# Altium PCB BTF16.PcbDoc (part 2 of 4)
Units mm, origin at the board's own origin, x right, y up, seen from the top; angles counter-clockwise.
Board outline 119.35 x 91 mm, 2 copper layers (Top Layer, Bottom Layer); 485 components, 133 nets, 1702 pads, 1556 vias.
Unrouted connection lines stored in the file: 2.
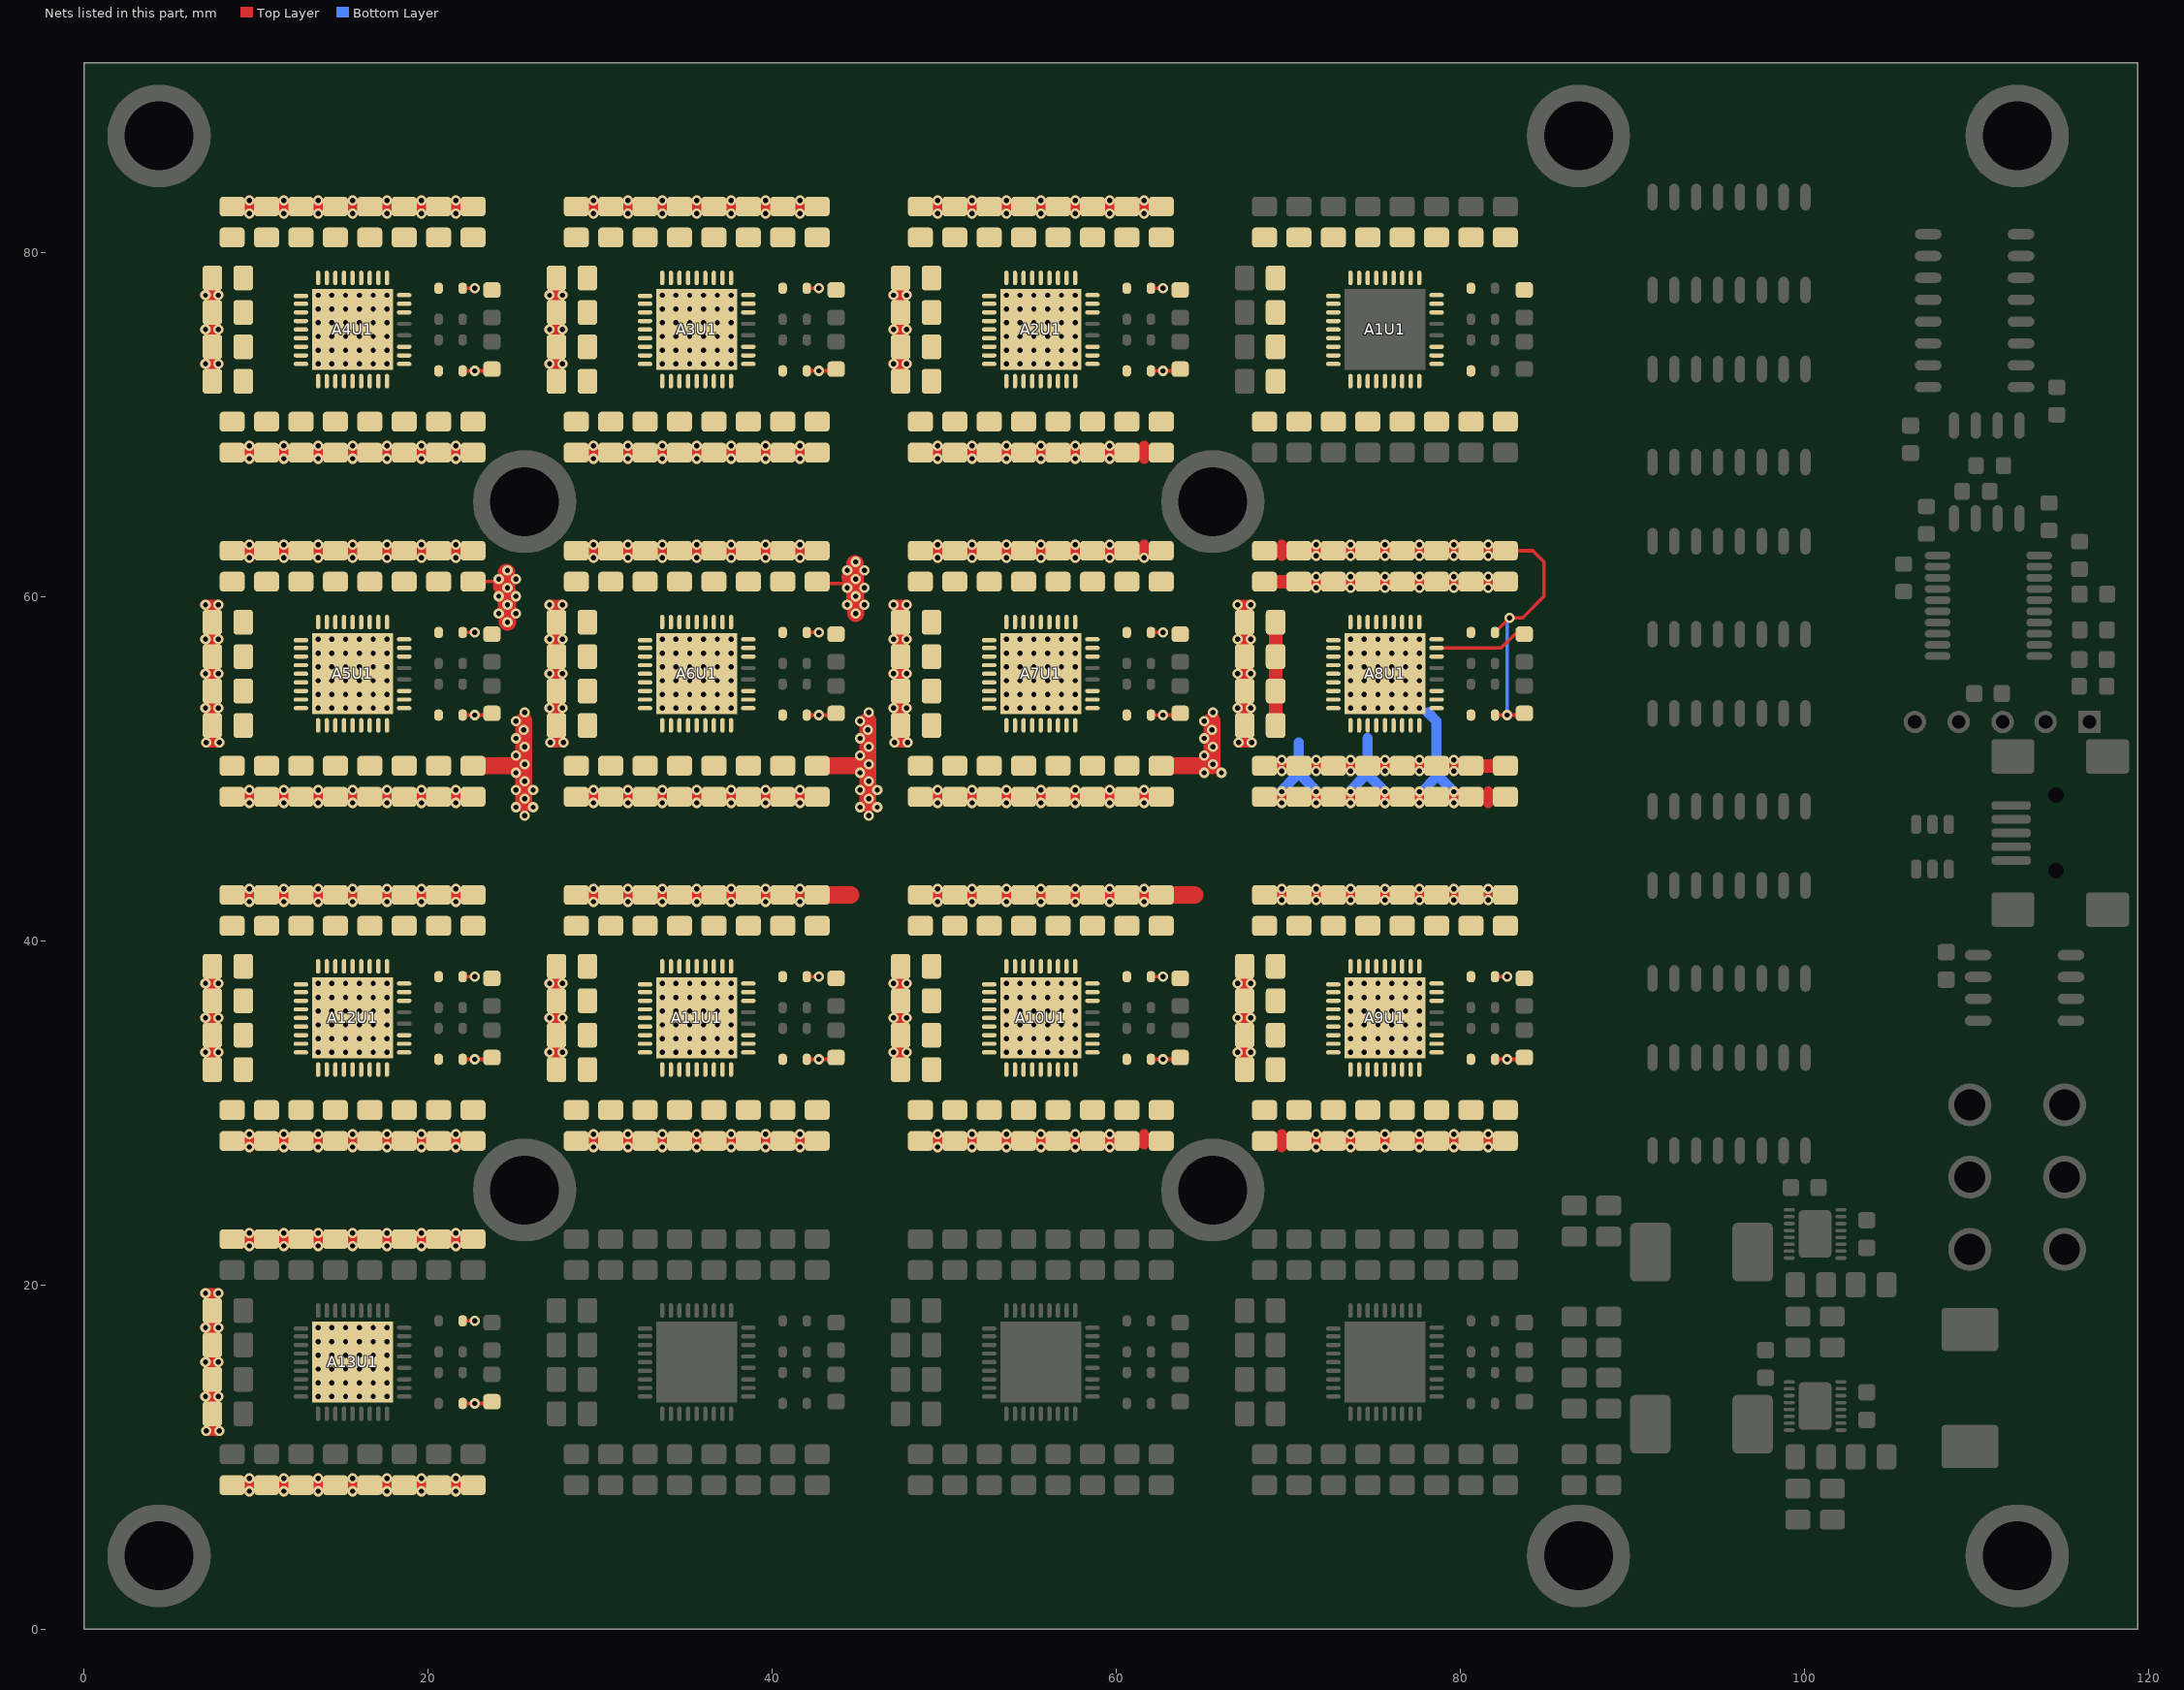
[diagram p2: the nets of this part, all layers, seen from the top]

## Footprints (in the part's own frame and the unit in brackets; to place one, negate y for a bottom-side part, rotate by r counter-clockwise, add the part's x,y. Pads: shape width x height; smd on the part's side, far side on the other; paste and mask are expansions set on the pad) (continued)
"SMD_SON50P340X340X80-21N - VSON10" [mm]
  oval 0.65x0.2 smd mask+0.05: 1(-1.5,1.4) 2(-1.5,1) 3(-1.5,0.6) 4(-1.5,0.2) 5(-1.5,-0.2) 6(-1.5,-0.6) 7(-1.5,-1) 8(-1.5,-1.4) 9(1.5,-1.4) 10(1.5,-1) 11(1.5,-0.6) 12(1.5,-0.2) 13(1.5,0.2) 14(1.5,0.6) 15(1.5,1) 16(1.5,1.4)
  rrect24% 1.9x2.75 smd paste-0.35 mask+0.05: 17(0,0)
  Top Layer region: -1.175,-0.1 -1.625,-0.1 -1.625,-1.5 -1.175,-1.5
  Top Layer region: 1.175,-1.5 1.625,-1.5 1.625,-0.1 1.175,-0.1
  silkscreen extent -2.1,-1.7 1.7,2.4, body extent -1.5,-1.5 1.5,1.5, height 0.95
SMD_SOP65P640X110-20N [mm]
  oval 1.5x0.45 smd mask+0.05: 1(-2.95,2.925) 2(-2.95,2.275) 3(-2.95,1.625) 4(-2.95,0.975) 5(-2.95,0.325) 6(-2.95,-0.325) 7(-2.95,-0.975) 8(-2.95,-1.625) 9(-2.95,-2.275) 10(-2.95,-2.925) 11(2.95,-2.925) 12(2.95,-2.275) 13(2.95,-1.625) 14(2.95,-0.975) 15(2.95,-0.325) 16(2.95,0.325) 17(2.95,0.975) 18(2.95,1.625) 19(2.95,2.275) 20(2.95,2.925)
  silkscreen extent -3.9,-3.25 1.88,3.5, body extent -3.2,-3.25 3.2,3.25, height 1.2
SMD_SOT95P280X145-6N [mm]
  rrect67% 1.1x0.6 smd mask+0.075: 1(-1.3,0.95) 2(-1.3,0) 3(-1.3,-0.95) 4(1.3,-0.95) 5(1.3,0) 6(1.3,0.95)
  silkscreen extent -2.05,-1.45 0.43,1.75, body extent -1.4,-1.45 1.4,1.45, height 1.45

## Part data
A1C1 A1C2 A1C3 A1C4 A1C5 A1C6 A1C7 A1C8 A1C9 A1C10 A1C11 A1C12 A1C13 A1C14 A1C15 A1C16 A1C17 A1C18 A1C19 A1C20 A2C1 A2C2 A2C3 A2C4 A2C5 A2C6 A2C7 A2C8 A2C9 A2C10 A2C11 A2C12 A2C13 A2C14 A2C15 A2C16 A2C17 A2C18 A2C19 A2C20 A3C1 A3C2 A3C3 A3C4 A3C5 A3C6 A3C7 A3C8 A3C9 A3C10 A3C11 A3C12 A3C13 A3C14 A3C15 A3C16 A3C17 A3C18 A3C19 A3C20 A4C1 A4C2 A4C3 A4C4 A4C5 A4C6 A4C7 A4C8 A4C9 A4C10 A4C11 A4C12 A4C13 A4C14 A4C15 A4C16 A4C17 A4C18 A4C19 A4C20 A5C1 A5C2 A5C3 A5C4 A5C5 A5C6 A5C7 A5C8 A5C9 A5C10 A5C11 A5C12 A5C13 A5C14 A5C15 A5C16 A5C17 A5C18 A5C19 A5C20 A6C1 A6C2 A6C3 A6C4 A6C5 A6C6 A6C7 A6C8 A6C9 A6C10 A6C11 A6C12 A6C13 A6C14 A6C15 A6C16 A6C17 A6C18 A6C19 A6C20 A7C1 A7C2 A7C3 A7C4 A7C5 A7C6 A7C7 A7C8 A7C9 A7C10 A7C11 A7C12 A7C13 A7C14 A7C15 A7C16 A7C17 A7C18 A7C19 A7C20 A8C1 A8C2 A8C3 A8C4 A8C5 A8C6 A8C7 A8C8 A8C9 A8C10 A8C11 A8C12 A8C13 A8C14 A8C15 A8C16 A8C17 A8C18 A8C19 A8C20 A9C1 A9C2 A9C3 A9C4 A9C5 A9C6 A9C7 A9C8 A9C9 A9C10 A9C11 A9C12 A9C13 A9C14 A9C15 A9C16 A9C17 A9C18 A9C19 A9C20 A10C1 A10C2 A10C3 A10C4 A10C5 A10C6 A10C7 A10C8 A10C9 A10C10 A10C11 A10C12 A10C13 A10C14 A10C15 A10C16 A10C17 A10C18 A10C19 A10C20 A11C1 A11C2 A11C3 A11C4 A11C5 A11C6 A11C7 A11C8 A11C9 A11C10 A11C11 A11C12 A11C13 A11C14 A11C15 A11C16 A11C17 A11C18 A11C19 A11C20 A12C1 A12C2 A12C3 A12C4 A12C5 A12C6 A12C7 A12C8 A12C9 A12C10 A12C11 A12C12 A12C13 A12C14 A12C15 A12C16 A12C17 A12C18 A12C19 A12C20 A13C1 A13C2 A13C3 A13C4 A13C5 A13C6 A13C7 A13C8 A13C9 A13C10 A13C11 A13C12 A13C13 A13C14 A13C15 A13C16 A13C17 A13C18 A13C19 A13C20 A14C1 A14C2 A14C3 A14C4 A14C5 A14C6 A14C7 A14C8 A14C9 A14C10 A14C11 A14C12 A14C13 A14C14 A14C15 A14C16 A14C17 A14C18 A14C19 A14C20 A15C1 A15C2 A15C3 A15C4 A15C5 A15C6 A15C7 A15C8 A15C9 A15C10 A15C11 A15C12 A15C13 A15C14 A15C15 A15C16 A15C17 A15C18 A15C19 A15C20 A16C1 A16C2 A16C3 A16C4 A16C5 A16C6 A16C7 A16C8 A16C9 A16C10 A16C11 A16C12 A16C13 A16C14 A16C15 A16C16 A16C17 A16C18 A16C19 A16C20 C1 C2 C3 C4 C5 P1C1 P1C2 P1C3 P1C4 P1C5 P1C6 P1C7 P1C8 P1C9 P1C10 P2C1 P2C2 P2C3 P2C4 P2C5 P2C6 P2C7 P2C8 P2C9 P2C10: library part C
A1R1 A1R2 A2R1 A2R2 A3R1 A3R2 A4R1 A4R2 A5R1 A5R2 A6R1 A6R2 A7R1 A7R2 A8R1 A8R2 A9R1 A9R2 A10R1 A10R2 A11R1 A11R2 A12R1 A12R2 A13R1 A13R2 A14R1 A14R2 A15R1 A15R2 A16R1 A16R2 R1 R2 R3 R4 R5 R6 R7 R8 R9: library part R
A1U1 A2U1 A3U1 A4U1 A5U1 A6U1 A7U1 A8U1 A9U1 A10U1 A11U1 A12U1 A13U1 A14U1 A15U1 A16U1: "BitFury 2016 16 nm"
D5: library part D
D6: library part D_TVS_QUAD_C1AA2AA5C3C4C6, "4 IO lines TVS"
J2: library part CON_USB_MINI
J4: library part CON_6PINS
P1L1 P2L1: library part L
P1U1 P2U1: library part IC_CSD95379Q3M, "Texas Instrumendts Buck Boost DC-DC"
U1: library part IC_PIC16F1459
U2: library part IC_74HC4053, "Triple 2-channel analog multiplexer/demultiplexer"
U3 U4 U5 U6 U7 U8: library part IC_74HC4051, "8-channel analog multiplexer/demultiplexer"
U10: library part IC_LM311, "Comparator"

## Free pads (board coordinates)
  round 6 / inner round 4.5 / far side round 6 hole 4: 0(4.35,4.25) 0(4.35,86.75) 0(25.6,25.5) 0(25.6,65.5) 0(65.6,25.5) 0(65.6,65.5) 0(86.85,4.25) 0(86.85,86.75) 0(112.35,4.25) 0(112.35,86.75)

## Via types
v1: diameter 0.6, hole 0.3, Top Layer to Bottom Layer, tented both sides, 1556 vias

## Nets (pads, with @x,y where several pads share a name; then routed paths per layer and width w, separated by ;. In a path a pad name is that pad's centre, name@x,y a point inside that pad or via, vN(x,y) a via of type N, cw(c..) or ccw(c..) an arc to the next point about the centre after c; other vN are vias at no path point)
0.4V: A1C1.1 A1C2.1 A1C3.1 A1C4.1 A1C5.1 A1C6.1 A1C7.1 A1C8.1 A1C9.1 A1C10.1 A1C11.1 A1C12.1 A1C13.1 A1C14.1 A1C15.1 A1C16.1 A1C17.1 A1C18.1 A1C19.1 A1C20.1 A1D1.1 A1D3.1 A1R1.1 A1U1.1 A1U1.2 A1U1.3 A1U1.4 A1U1.5 A1U1.6 A1U1.7 A1U1.8 A1U1.9 A1U1.10 A1U1.11 A1U1.12 A1U1.13 A1U1.14 A1U1.15 A1U1.16 A1U1.17 A1U1.18 A1U1.19 A1U1.20 A1U1.21 A1U1.24 A1U1.25 A1U1.26 A1U1.27 A1U1.28 A1U1.29 A1U1.30 A1U1.31 A1U1.32 A1U1.33 A1U1.34 A1U1.35 A2C1.2 A2C2.2 A2C3.2 A2C4.2 A2C5.2 A2C6.2 A2C7.2 A2C8.2 A2C9.2 A2C10.2 A2C11.2 A2C12.2 A2C13.2 A2C14.2 A2C15.2 A2C16.2 A2C17.2 A2C18.2 A2C19.2 A2C20.2 A2D2.2 A2D4.2 A2R2.2 A2U1.36 | length 32.2
  Top Layer w0.2: A2D4.2@62,73.1 v1(62.7,73.1) 63.6,73.1 A2R2.2@63.7,73.2 ; A2D2.2@62,77.9 v1(62.7,77.9)
  Top Layer w0.6: v1(47.05,73.5) 47.45,73.5 ; v1(47.05,75.5) 47.45,75.5 ; v1(47.05,77.5) 47.45,77.5 ; A2C20.2@47.45,72.5 47.45,73.5 ; A2C19.2@47.45,74.5 47.45,75.5 ; A2C17.2@47.45,76.5 47.45,77.5 ; v1(47.8,73.5) 47.45,73.5 ; v1(47.8,75.5) 47.45,75.5 ; v1(47.8,77.5) 47.45,77.5 ; A2C9.2@48.6,68.35 49.6,68.35 ; v1(49.6,68) 49.6,68.35 ; v1(49.6,68.75) 49.6,68.35 ; v1(49.6,82.25) 49.6,82.65 ; v1(49.6,83) 49.6,82.65 ; A2C10.2@50.6,68.35 51.6,68.35 ; A2C7.2@50.6,82.65 49.6,82.65 ; v1(51.6,68) 51.6,68.35 ; v1(51.6,68.75) 51.6,68.35 ; v1(51.6,82.25) 51.6,82.65 ; v1(51.6,83) 51.6,82.65 ; A2C11.2@52.6,68.35 53.6,68.35 ; A2C6.2@52.6,82.65 51.6,82.65 ; v1(53.6,68) 53.6,68.35 ; v1(53.6,68.75) 53.6,68.35 ; v1(53.6,82.25) 53.6,82.65 ; v1(53.6,83) 53.6,82.65 ; A2C12.2@54.6,68.35 55.6,68.35 ; A2C5.2@54.6,82.65 53.6,82.65 ; v1(55.6,68) 55.6,68.35 ; v1(55.6,68.75) 55.6,68.35 ; v1(55.6,82.25) 55.6,82.65 ; v1(55.6,83) 55.6,82.65 ; A2C13.2@56.6,68.35 57.6,68.35 ; A2C4.2@56.6,82.65 55.6,82.65 ; v1(57.6,68) 57.6,68.35 ; v1(57.6,68.75) 57.6,68.35 ; v1(57.6,82.25) 57.6,82.65 ; v1(57.6,83) 57.6,82.65 ; A2C14.2@58.6,68.35 59.6,68.35 ; A2C3.2@58.6,82.65 57.6,82.65 ; v1(59.6,68) 59.6,68.35 ; v1(59.6,68.75) 59.6,68.35 ; v1(59.6,82.25) 59.6,82.65 ; v1(59.6,83) 59.6,82.65 ; A2C15.2@60.6,68.35 61.6,68.35 ; A2C2.2@60.6,82.65 59.6,82.65 ; 61.6,68 61.6,68.35 ; 61.6,68.75 61.6,68.35 ; v1(61.6,82.25) 61.6,82.65 ; v1(61.6,83) 61.6,82.65 ; A2C1.2@62.6,82.65 61.6,82.65
  other v1: 53.6,73.5 54.4,73.5 55.2,73.5 56,73.5 56.8,73.5 57.6,73.5 53.6,74.3 54.4,74.3 55.2,74.3 56,74.3 56.8,74.3 57.6,74.3 53.6,75.1 54.4,75.1 55.2,75.1 56,75.1 56.8,75.1 57.6,75.1 53.6,75.9 54.4,75.9 55.2,75.9 56,75.9 56.8,75.9 57.6,75.9 53.6,76.7 54.4,76.7 55.2,76.7 56,76.7 56.8,76.7 57.6,76.7 53.6,77.5 54.4,77.5 55.2,77.5 56,77.5 56.8,77.5 57.6,77.5
0.8V: A2C1.1 A2C2.1 A2C3.1 A2C4.1 A2C5.1 A2C6.1 A2C7.1 A2C8.1 A2C9.1 A2C10.1 A2C11.1 A2C12.1 A2C13.1 A2C14.1 A2C15.1 A2C16.1 A2C17.1 A2C18.1 A2C19.1 A2C20.1 A2D1.1 A2D3.1 A2R1.1 A2U1.1 A2U1.2 A2U1.3 A2U1.4 A2U1.5 A2U1.6 A2U1.7 A2U1.8 A2U1.9 A2U1.10 A2U1.11 A2U1.12 A2U1.13 A2U1.14 A2U1.15 A2U1.16 A2U1.17 A2U1.18 A2U1.19 A2U1.20 A2U1.21 A2U1.24 A2U1.25 A2U1.26 A2U1.27 A2U1.28 A2U1.29 A2U1.30 A2U1.31 A2U1.32 A2U1.33 A2U1.34 A2U1.35 A3C1.2 A3C2.2 A3C3.2 A3C4.2 A3C5.2 A3C6.2 A3C7.2 A3C8.2 A3C9.2 A3C10.2 A3C11.2 A3C12.2 A3C13.2 A3C14.2 A3C15.2 A3C16.2 A3C17.2 A3C18.2 A3C19.2 A3C20.2 A3D2.2 A3D4.2 A3R2.2 A3U1.36 | length 32.2
  Top Layer w0.2: A3D4.2@42,73.1 v1(42.7,73.1) 43.6,73.1 A3R2.2@43.7,73.2 ; A3D2.2@42,77.9 v1(42.7,77.9)
  Top Layer w0.6: v1(27.05,73.5) 27.45,73.5 ; v1(27.05,75.5) 27.45,75.5 ; v1(27.05,77.5) 27.45,77.5 ; A3C20.2@27.45,72.5 27.45,73.5 ; A3C19.2@27.45,74.5 27.45,75.5 ; A3C17.2@27.45,76.5 27.45,77.5 ; v1(27.8,73.5) 27.45,73.5 ; v1(27.8,75.5) 27.45,75.5 ; v1(27.8,77.5) 27.45,77.5 ; A3C9.2@28.6,68.35 29.6,68.35 ; v1(29.6,68) 29.6,68.35 ; v1(29.6,68.75) 29.6,68.35 ; v1(29.6,82.25) 29.6,82.65 ; v1(29.6,83) 29.6,82.65 ; A3C10.2@30.6,68.35 31.6,68.35 ; A3C7.2@30.6,82.65 29.6,82.65 ; v1(31.6,68) 31.6,68.35 ; v1(31.6,68.75) 31.6,68.35 ; v1(31.6,82.25) 31.6,82.65 ; v1(31.6,83) 31.6,82.65 ; A3C11.2@32.6,68.35 33.6,68.35 ; A3C6.2@32.6,82.65 31.6,82.65 ; v1(33.6,68) 33.6,68.35 ; v1(33.6,68.75) 33.6,68.35 ; v1(33.6,82.25) 33.6,82.65 ; v1(33.6,83) 33.6,82.65 ; A3C12.2@34.6,68.35 35.6,68.35 ; A3C5.2@34.6,82.65 33.6,82.65 ; v1(35.6,68) 35.6,68.35 ; v1(35.6,68.75) 35.6,68.35 ; v1(35.6,82.25) 35.6,82.65 ; v1(35.6,83) 35.6,82.65 ; A3C13.2@36.6,68.35 37.6,68.35 ; A3C4.2@36.6,82.65 35.6,82.65 ; v1(37.6,68) 37.6,68.35 ; v1(37.6,68.75) 37.6,68.35 ; v1(37.6,82.25) 37.6,82.65 ; v1(37.6,83) 37.6,82.65 ; A3C14.2@38.6,68.35 39.6,68.35 ; A3C3.2@38.6,82.65 37.6,82.65 ; v1(39.6,68) 39.6,68.35 ; v1(39.6,68.75) 39.6,68.35 ; v1(39.6,82.25) 39.6,82.65 ; v1(39.6,83) 39.6,82.65 ; A3C15.2@40.6,68.35 41.6,68.35 ; A3C2.2@40.6,82.65 39.6,82.65 ; v1(41.6,68) 41.6,68.35 ; v1(41.6,68.75) 41.6,68.35 ; v1(41.6,82.25) 41.6,82.65 ; v1(41.6,83) 41.6,82.65 ; A3C1.2@42.6,82.65 41.6,82.65
  other v1: 33.6,73.5 34.4,73.5 35.2,73.5 36,73.5 36.8,73.5 37.6,73.5 33.6,74.3 34.4,74.3 35.2,74.3 36,74.3 36.8,74.3 37.6,74.3 33.6,75.1 34.4,75.1 35.2,75.1 36,75.1 36.8,75.1 37.6,75.1 33.6,75.9 34.4,75.9 35.2,75.9 36,75.9 36.8,75.9 37.6,75.9 33.6,76.7 34.4,76.7 35.2,76.7 36,76.7 36.8,76.7 37.6,76.7 33.6,77.5 34.4,77.5 35.2,77.5 36,77.5 36.8,77.5 37.6,77.5
1.2V: A3C1.1 A3C2.1 A3C3.1 A3C4.1 A3C5.1 A3C6.1 A3C7.1 A3C8.1 A3C9.1 A3C10.1 A3C11.1 A3C12.1 A3C13.1 A3C14.1 A3C15.1 A3C16.1 A3C17.1 A3C18.1 A3C19.1 A3C20.1 A3D1.1 A3D3.1 A3R1.1 A3U1.1 A3U1.2 A3U1.3 A3U1.4 A3U1.5 A3U1.6 A3U1.7 A3U1.8 A3U1.9 A3U1.10 A3U1.11 A3U1.12 A3U1.13 A3U1.14 A3U1.15 A3U1.16 A3U1.17 A3U1.18 A3U1.19 A3U1.20 A3U1.21 A3U1.24 A3U1.25 A3U1.26 A3U1.27 A3U1.28 A3U1.29 A3U1.30 A3U1.31 A3U1.32 A3U1.33 A3U1.34 A3U1.35 A4C1.2 A4C2.2 A4C3.2 A4C4.2 A4C5.2 A4C6.2 A4C7.2 A4C8.2 A4C9.2 A4C10.2 A4C11.2 A4C12.2 A4C13.2 A4C14.2 A4C15.2 A4C16.2 A4C17.2 A4C18.2 A4C19.2 A4C20.2 A4D2.2 A4D4.2 A4R2.2 A4U1.36 | length 32.2
  Top Layer w0.2: A4D4.2@22,73.1 v1(22.7,73.1) 23.6,73.1 A4R2.2@23.7,73.2 ; A4D2.2@22,77.9 v1(22.7,77.9)
  Top Layer w0.6: v1(7.05,73.5) 7.45,73.5 ; v1(7.05,75.5) 7.45,75.5 ; v1(7.05,77.5) 7.45,77.5 ; A4C20.2@7.45,72.5 7.45,73.5 ; A4C19.2@7.45,74.5 7.45,75.5 ; A4C17.2@7.45,76.5 7.45,77.5 ; v1(7.8,73.5) 7.45,73.5 ; v1(7.8,75.5) 7.45,75.5 ; v1(7.8,77.5) 7.45,77.5 ; A4C9.2@8.6,68.35 9.6,68.35 ; v1(9.6,68) 9.6,68.35 ; v1(9.6,68.75) 9.6,68.35 ; v1(9.6,82.25) 9.6,82.65 ; v1(9.6,83) 9.6,82.65 ; A4C10.2@10.6,68.35 11.6,68.35 ; A4C7.2@10.6,82.65 9.6,82.65 ; v1(11.6,68) 11.6,68.35 ; v1(11.6,68.75) 11.6,68.35 ; v1(11.6,82.25) 11.6,82.65 ; v1(11.6,83) 11.6,82.65 ; A4C11.2@12.6,68.35 13.6,68.35 ; A4C6.2@12.6,82.65 11.6,82.65 ; v1(13.6,68) 13.6,68.35 ; v1(13.6,68.75) 13.6,68.35 ; v1(13.6,82.25) 13.6,82.65 ; v1(13.6,83) 13.6,82.65 ; A4C12.2@14.6,68.35 15.6,68.35 ; A4C5.2@14.6,82.65 13.6,82.65 ; v1(15.6,68) 15.6,68.35 ; v1(15.6,68.75) 15.6,68.35 ; v1(15.6,82.25) 15.6,82.65 ; v1(15.6,83) 15.6,82.65 ; A4C13.2@16.6,68.35 17.6,68.35 ; A4C4.2@16.6,82.65 15.6,82.65 ; v1(17.6,68) 17.6,68.35 ; v1(17.6,68.75) 17.6,68.35 ; v1(17.6,82.25) 17.6,82.65 ; v1(17.6,83) 17.6,82.65 ; A4C14.2@18.6,68.35 19.6,68.35 ; A4C3.2@18.6,82.65 17.6,82.65 ; v1(19.6,68) 19.6,68.35 ; v1(19.6,68.75) 19.6,68.35 ; v1(19.6,82.25) 19.6,82.65 ; v1(19.6,83) 19.6,82.65 ; A4C15.2@20.6,68.35 21.6,68.35 ; A4C2.2@20.6,82.65 19.6,82.65 ; v1(21.6,68) 21.6,68.35 ; v1(21.6,68.75) 21.6,68.35 ; v1(21.6,82.25) 21.6,82.65 ; v1(21.6,83) 21.6,82.65 ; A4C1.2@22.6,82.65 21.6,82.65
  other v1: 13.6,73.5 14.4,73.5 15.2,73.5 16,73.5 16.8,73.5 17.6,73.5 13.6,74.3 14.4,74.3 15.2,74.3 16,74.3 16.8,74.3 17.6,74.3 13.6,75.1 14.4,75.1 15.2,75.1 16,75.1 16.8,75.1 17.6,75.1 13.6,75.9 14.4,75.9 15.2,75.9 16,75.9 16.8,75.9 17.6,75.9 13.6,76.7 14.4,76.7 15.2,76.7 16,76.7 16.8,76.7 17.6,76.7 13.6,77.5 14.4,77.5 15.2,77.5 16,77.5 16.8,77.5 17.6,77.5
1.6V: A4C1.1 A4C2.1 A4C3.1 A4C4.1 A4C5.1 A4C6.1 A4C7.1 A4C8.1 A4C9.1 A4C10.1 A4C11.1 A4C12.1 A4C13.1 A4C14.1 A4C15.1 A4C16.1 A4C17.1 A4C18.1 A4C19.1 A4C20.1 A4D1.1 A4D3.1 A4R1.1 A4U1.1 A4U1.2 A4U1.3 A4U1.4 A4U1.5 A4U1.6 A4U1.7 A4U1.8 A4U1.9 A4U1.10 A4U1.11 A4U1.12 A4U1.13 A4U1.14 A4U1.15 A4U1.16 A4U1.17 A4U1.18 A4U1.19 A4U1.20 A4U1.21 A4U1.24 A4U1.25 A4U1.26 A4U1.27 A4U1.28 A4U1.29 A4U1.30 A4U1.31 A4U1.32 A4U1.33 A4U1.34 A4U1.35 A5C1.2 A5C2.2 A5C3.2 A5C4.2 A5C5.2 A5C6.2 A5C7.2 A5C8.2 A5C9.2 A5C10.2 A5C11.2 A5C12.2 A5C13.2 A5C14.2 A5C15.2 A5C16.2 A5C17.2 A5C18.2 A5C19.2 A5C20.2 A5D2.2 A5D4.2 A5R2.2 A5U1.36 | length 35.7
  Top Layer w0.2: A5D4.2@22,53.1 v1(22.7,53.1) 23.6,53.1 A5R2.2@23.7,53.2 ; A5D2.2@22,57.9 v1(22.7,57.9)
  Top Layer w0.6: v1(7.05,53.5) 7.45,53.5 ; v1(7.05,55.5) 7.45,55.5 ; v1(7.05,57.5) 7.45,57.5 ; v1(7.05,59.5) 7.45,59.5 ; v1(7.1,51.5) 7.45,51.5 ; A5C19.2@7.45,54.5 7.45,55.5 ; A5C17.2@7.45,56.5 7.45,57.5 ; A5C18.2@7.45,58.5 7.45,59.5 ; v1(7.8,53.5) 7.45,53.5 ; v1(7.8,55.5) 7.45,55.5 ; v1(7.8,57.5) 7.45,57.5 ; v1(7.8,59.5) 7.45,59.5 ; v1(7.85,51.5) 7.45,51.5 ; A5C9.2@8.6,48.35 9.6,48.35 ; v1(9.6,48) 9.6,48.35 ; v1(9.6,48.75) 9.6,48.35 ; v1(9.6,62.25) 9.6,62.65 ; v1(9.6,63) 9.6,62.65 ; A5C10.2@10.6,48.35 11.6,48.35 ; A5C7.2@10.6,62.65 9.6,62.65 ; v1(11.6,48) 11.6,48.35 ; v1(11.6,48.75) 11.6,48.35 ; v1(11.6,62.25) 11.6,62.65 ; v1(11.6,63) 11.6,62.65 ; A5C11.2@12.6,48.35 13.6,48.35 ; A5C6.2@12.6,62.65 11.6,62.65 ; v1(13.6,48) 13.6,48.35 ; v1(13.6,48.75) 13.6,48.35 ; v1(13.6,62.25) 13.6,62.65 ; v1(13.6,63) 13.6,62.65 ; A5C12.2@14.6,48.35 15.6,48.35 ; A5C5.2@14.6,62.65 13.6,62.65 ; v1(15.6,48) 15.6,48.35 ; v1(15.6,48.75) 15.6,48.35 ; v1(15.6,62.25) 15.6,62.65 ; v1(15.6,63) 15.6,62.65 ; A5C13.2@16.6,48.35 17.6,48.35 ; A5C4.2@16.6,62.65 15.6,62.65 ; v1(17.6,48) 17.6,48.35 ; v1(17.6,48.75) 17.6,48.35 ; v1(17.6,62.25) 17.6,62.65 ; v1(17.6,63) 17.6,62.65 ; A5C14.2@18.6,48.35 19.6,48.35 ; A5C3.2@18.6,62.65 17.6,62.65 ; v1(19.6,48) 19.6,48.35 ; v1(19.6,48.75) 19.6,48.35 ; v1(19.6,62.25) 19.6,62.65 ; v1(19.6,63) 19.6,62.65 ; A5C15.2@20.6,48.35 21.6,48.35 ; A5C2.2@20.6,62.65 19.6,62.65 ; v1(21.6,48) 21.6,48.35 ; v1(21.6,48.75) 21.6,48.35 ; v1(21.6,62.25) 21.6,62.65 ; v1(21.6,63) 21.6,62.65 ; A5C1.2@22.6,62.65 21.6,62.65 ; 7.45,51.5 A5C20.2@7.45,52.5 7.45,53.5
  other v1: 13.6,53.5 14.4,53.5 15.2,53.5 16,53.5 16.8,53.5 17.6,53.5 13.6,54.3 14.4,54.3 15.2,54.3 16,54.3 16.8,54.3 17.6,54.3 13.6,55.1 14.4,55.1 15.2,55.1 16,55.1 16.8,55.1 17.6,55.1 13.6,55.9 14.4,55.9 15.2,55.9 16,55.9 16.8,55.9 17.6,55.9 13.6,56.7 14.4,56.7 15.2,56.7 16,56.7 16.8,56.7 17.6,56.7 13.6,57.5 14.4,57.5 15.2,57.5 16,57.5 16.8,57.5 17.6,57.5
2.0V: A5C1.1 A5C2.1 A5C3.1 A5C4.1 A5C5.1 A5C6.1 A5C7.1 A5C8.1 A5C9.1 A5C10.1 A5C11.1 A5C12.1 A5C13.1 A5C14.1 A5C15.1 A5C16.1 A5C17.1 A5C18.1 A5C19.1 A5C20.1 A5D1.1 A5D3.1 A5R1.1 A5U1.1 A5U1.2 A5U1.3 A5U1.4 A5U1.5 A5U1.6 A5U1.7 A5U1.8 A5U1.9 A5U1.10 A5U1.11 A5U1.12 A5U1.13 A5U1.14 A5U1.15 A5U1.16 A5U1.17 A5U1.18 A5U1.19 A5U1.20 A5U1.21 A5U1.24 A5U1.25 A5U1.26 A5U1.27 A5U1.28 A5U1.29 A5U1.30 A5U1.31 A5U1.32 A5U1.33 A5U1.34 A5U1.35 A6C1.2 A6C2.2 A6C3.2 A6C4.2 A6C5.2 A6C6.2 A6C7.2 A6C8.2 A6C9.2 A6C10.2 A6C11.2 A6C12.2 A6C13.2 A6C14.2 A6C15.2 A6C16.2 A6C17.2 A6C18.2 A6C19.2 A6C20.2 A6D2.2 A6D4.2 A6R2.2 A6U1.36 | length 49.8
  Top Layer w0.2: A5C1.1@22.6,60.85 24.45,60.85 ; A6D4.2@42,53.1 v1(42.7,53.1) 43.6,53.1 A6R2.2@43.7,53.2 ; A6D2.2@42,57.9 v1(42.7,57.9)
  Top Layer w0.6: v1(27.05,53.5) 27.45,53.5 ; v1(27.05,55.5) 27.45,55.5 ; v1(27.05,57.5) 27.45,57.5 ; v1(27.05,59.5) 27.45,59.5 ; v1(27.1,51.5) 27.45,51.5 ; A6C19.2@27.45,54.5 27.45,55.5 ; A6C17.2@27.45,56.5 27.45,57.5 ; A6C18.2@27.45,58.5 27.45,59.5 ; v1(27.8,53.5) 27.45,53.5 ; v1(27.8,55.5) 27.45,55.5 ; v1(27.8,57.5) 27.45,57.5 ; v1(27.8,59.5) 27.45,59.5 ; v1(27.85,51.5) 27.45,51.5 ; A6C9.2@28.6,48.35 29.6,48.35 ; v1(29.6,48) 29.6,48.35 ; v1(29.6,48.75) 29.6,48.35 ; v1(29.6,62.25) 29.6,62.65 ; v1(29.6,63) 29.6,62.65 ; A6C10.2@30.6,48.35 31.6,48.35 ; A6C7.2@30.6,62.65 29.6,62.65 ; v1(31.6,48) 31.6,48.35 ; v1(31.6,48.75) 31.6,48.35 ; v1(31.6,62.25) 31.6,62.65 ; v1(31.6,63) 31.6,62.65 ; A6C11.2@32.6,48.35 33.6,48.35 ; A6C6.2@32.6,62.65 31.6,62.65 ; v1(33.6,48) 33.6,48.35 ; v1(33.6,48.75) 33.6,48.35 ; v1(33.6,62.25) 33.6,62.65 ; v1(33.6,63) 33.6,62.65 ; A6C12.2@34.6,48.35 35.6,48.35 ; A6C5.2@34.6,62.65 33.6,62.65 ; v1(35.6,48) 35.6,48.35 ; v1(35.6,48.75) 35.6,48.35 ; v1(35.6,62.25) 35.6,62.65 ; v1(35.6,63) 35.6,62.65 ; A6C13.2@36.6,48.35 37.6,48.35 ; A6C4.2@36.6,62.65 35.6,62.65 ; v1(37.6,48) 37.6,48.35 ; v1(37.6,48.75) 37.6,48.35 ; v1(37.6,62.25) 37.6,62.65 ; v1(37.6,63) 37.6,62.65 ; A6C14.2@38.6,48.35 39.6,48.35 ; A6C3.2@38.6,62.65 37.6,62.65 ; v1(39.6,48) 39.6,48.35 ; v1(39.6,48.75) 39.6,48.35 ; v1(39.6,62.25) 39.6,62.65 ; v1(39.6,63) 39.6,62.65 ; A6C15.2@40.6,48.35 41.6,48.35 ; A6C2.2@40.6,62.65 39.6,62.65 ; v1(41.6,48) 41.6,48.35 ; v1(41.6,48.75) 41.6,48.35 ; v1(41.6,62.25) 41.6,62.65 ; v1(41.6,63) 41.6,62.65 ; A6C1.2@42.6,62.65 41.6,62.65 ; 27.45,51.5 A6C20.2@27.45,52.5 27.45,53.5